# Allegro board controller_layout.brd (continued)
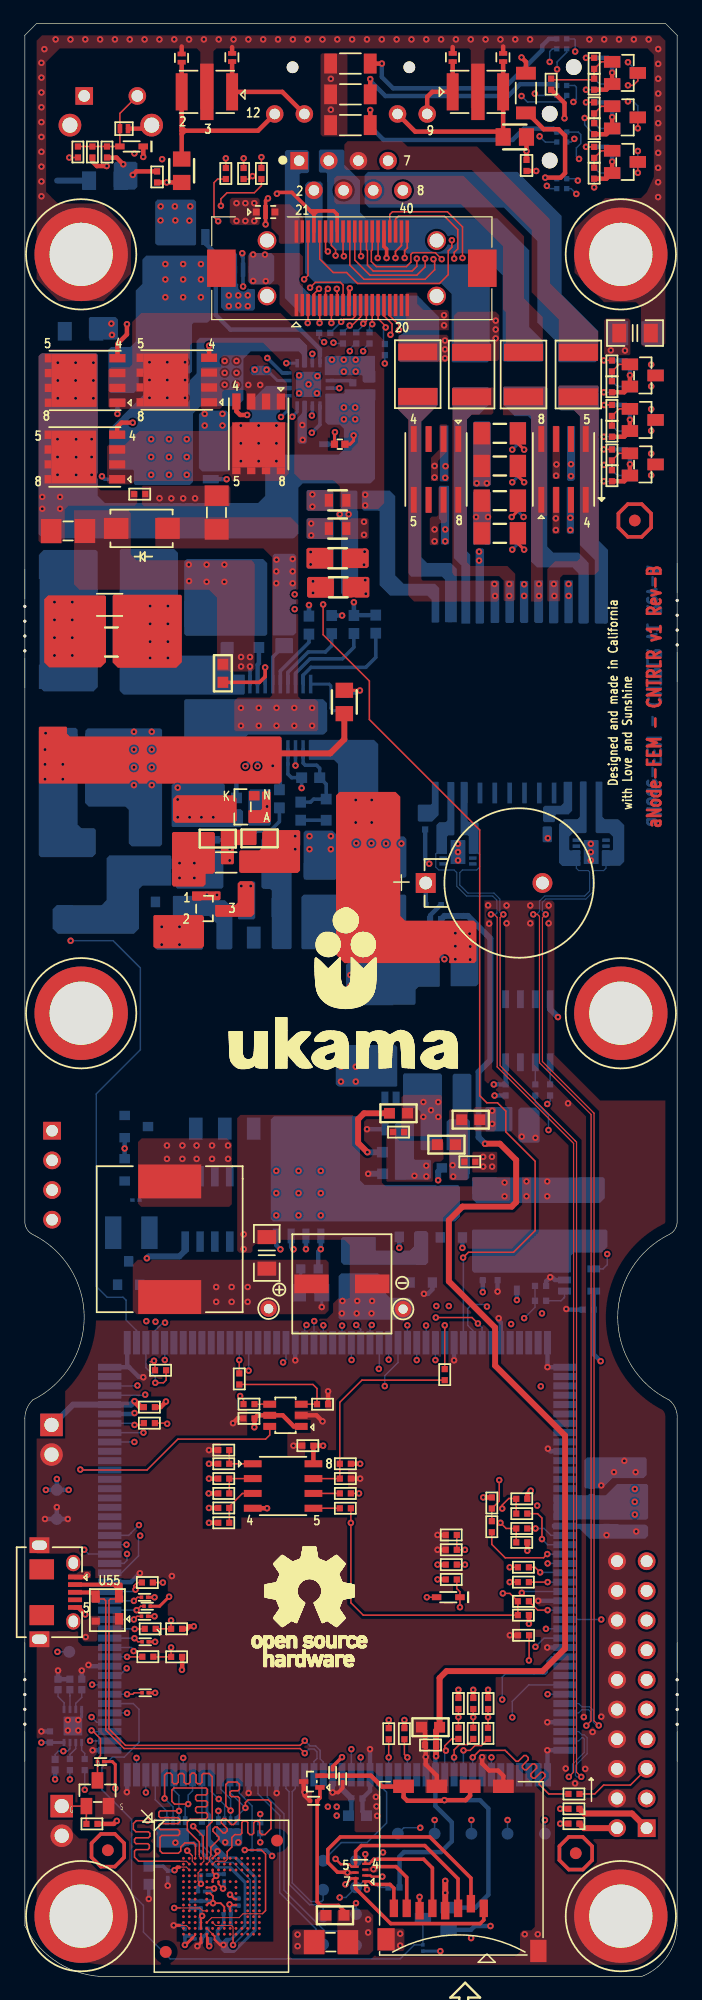
[diagram p0: board, top side]
## Routing (per net, layer and track width the routed paths; a pad name or vN(x,y) marks a point on that pad's centre or on a via; arc(x,y) is an arc through that point) (continued)
  TOP w0.127: R65.2 v1(37.7,35.28)
  L3-SIG1 w0.119: J5.17 51.95,31.72 49.17,31.72 46.25,28.8 42.82,28.8 42.62,28.6 39.27,28.6 38.05,29.82 38.05,33.34 37.7,33.69 v1(37.7,35.28)
N20073333: length 6.4
  TOP w0.508: R93.1 47.92,13.97 52.01,13.97 J5.1
N20073375: length 3.4
  TOP w0.508: J5.2 47.9,12.71 R94.1
N20073427: length 17.9
  TOP w0.127: R77.1 43.19,27.09 v1(43.18,27.08)
  L3-SIG1 w0.119: v1(43.18,27.08) 47.83,27.08 49.68,28.93 54.05,28.93 54.4,28.57 54.4,26.55 J5.11
N20073459: length 26.2
  TOP w0.127: v1(37.7,36.55) R64.1 C17.1
  L3-SIG1 w0.119: J5.19 51.8,34.11 50.09,34.11 45.19,29.21 42.93,29.21 42.32,29.82 39.27,29.82 38.55,30.53 38.55,35.7 v1(37.7,36.55)
N20187115: length 21.7
  TOP w0.127: J1.26 25.76,147.92 v1(25.96,147.73) ; R15.2 v1(17.22,155.7)
  L4-SIG2 w0.119: v1(17.22,155.7) 16.55,155.7 15.98,155.13 15.98,150.13 16.36,149.75 16.87,149.75 17.19,150.07 17.19,150.73 17.75,151.29 21.68,151.29 23.27,149.71 23.98,149.71 v1(25.96,147.73)
N20187119: length 26.9
  TOP w0.127: J1.27 26.26,148.24 26.62,147.88 v1(26.62,147.37) ; R16.2 18.74,155.7 v1(18.75,155.7)
  L4-SIG2 w0.119: v1(26.62,147.37) 26.38,147.13 24.85,147.13 24.4,147.58 23.23,147.58 22.65,148.16 22.65,149.36 21.11,150.9 17.91,150.9 17.57,150.56 17.57,149.9 17.04,149.37 16.21,149.37 15.62,149.96 15.62,155.53 16.3,156.21 18.24,156.21 v1(18.75,155.7)
N42831088: length 3.3
  TOP w0.127: R66.2 43.7,35.05 v1(44.14,34.62)
  BOTTOM w0.127: v1(44.14,34.62) 46.24,34.62 U17.23
N42831090: length 3.1
  TOP w0.127: v1(44.78,33.78) R68.2
  BOTTOM w0.127: v1(44.78,33.78) U17.24
N43233287: length 11.2
  BOTTOM w0.127: U17.61 30.37,16.42 30.99,15.8 30.99,13.16 29.31,11.48 27.1,11.48 TP12.1
N167577870: length 4
  BOTTOM w0.127: U17.80 R140.1

## Copper pours and planes (outline as drawn; the poured copper is in the pictures)
GND on BOTTOM (solid shape): 9.65,155.25 9.65,153.26 9.4,153.01 7.82,153.01 7.62,153.21 7.62,155.24 7.79,155.41 9.49,155.41
GND on BOTTOM (solid shape): 31.9,79.6 31.9,76.29 31.84,76.22 26.85,76.22 26.63,76.44 26.63,79.55 26.85,79.77 31.73,79.77
GND on BOTTOM (solid shape): 44.09,74.07 44.09,71.53 43.99,71.42 42.49,71.42 42.26,71.65 42.26,74.22 42.46,74.42 43.75,74.42
GND on BOTTOM (solid shape): 45.16,98.4 45.16,97.21 45.08,97.13 44.44,97.13 44.34,97.24 44.34,98.4 44.42,98.48 45.08,98.48
GND on BOTTOM (solid shape): 49.69,68.3 49.69,66.67 49.27,66.25 38.67,66.25 38.32,66.61 38.32,68.11 38.51,68.31 38.51,68.43 49.56,68.43
GND on BOTTOM (solid shape): 53.26,44.34 53.26,42.95 53.01,42.69 50.34,42.69 49.45,41.8 48.05,41.8 47.93,41.93 47.93,44.22 48.18,44.47 53.13,44.47
GND on BOTTOM (solid shape): 30.75,59.73 30.75,58.66 31.27,58.14 32.95,58.14 33.17,57.92 33.17,56.56 32.86,56.26 27.04,56.26 26.87,56.42 26.87,59.99 27.11,60.23 30.26,60.23
GND on BOTTOM (solid shape): 48.31,38.76 50.85,38.76 50.9,38.7 53.19,38.7 53.39,38.5 53.39,37.74 53.14,37.49 48.37,37.49 47.52,38.35 45.27,38.35 45.13,38.49 45.13,38.69 45.22,38.78 48.29,38.78
GND on BOTTOM (solid shape): 15.65,15.96 15.65,15.66 15.73,15.58 15.73,14.13 15.94,13.93 15.94,11.77 17.4,10.31 18.15,10.31 19.86,8.59 19.86,3.93 17.97,2.03 17.06,2.03 16.79,2.3 16.79,2.91 17.2,3.32 17.61,3.32 18.75,4.46 18.75,8 17.5,9.24 16.4,9.24 14.9,10.73 14.9,10.81 14.96,10.87 15.13,10.87 16.54,9.46 17.7,9.46 18.98,8.17 18.98,4.31 17.82,3.15 17.8,3.14 17.53,2.41 18.27,2.68 18.27,2.7 19.62,4.05 19.62,8.43 17.96,10.09 16.8,10.09 15.69,11.2 15.69,13.79 15.49,14 15.49,16.01 15.49,16.02 15.59,16.02
GND on TOP: 30.35,4.11 30.35,2.19 32.38,2.19 32.51,2.32 32.51,3.99 32.38,4.11
GND on TOP: 7.05,1.02 3.53,1.96 1.02,4.6 1.02,29.57 2.79,29.57 2.79,29.59 3.94,29.59 3.94,31.09 4.93,31.09 4.93,31.65 4.95,31.65 4.95,31.12 6.6,31.12 6.6,32.39 4.95,32.39 4.95,31.85 4.93,31.85 4.93,31.9 3.61,31.9 3.61,31.37 2.41,31.37 2.41,30.48 1.02,30.48 1.02,35.15 2.69,35.15 2.69,34.6 3.66,34.6 3.66,35.36 3.71,35.36 3.71,36.22 1.02,36.22 1.02,47.77 1.05,48.07 1.17,48.36 3.45,48.36 3.45,50.12 5.36,52.9 6.1,56.19 10.57,56.19 10.57,55.37 11.33,55.37 11.33,56.19 24.94,56.19 26.82,58.06 27.74,58.06 27.84,58.17 27.84,62.64 27.38,63.09 21.79,63.09 21.44,62.74 19.76,62.74 19.51,62.48 19.51,62.13 19.35,61.98 18.39,61.98 18.19,62.18 18.19,73.51 18.47,73.79 29.08,73.79 29.08,75.03 41.1,75.03 39.37,76.76 39.37,92.15 45.16,92.15 45.36,91.95 45.36,78.94 49.28,75.03 54.86,75.03 54.86,64.64 54.83,64.54 54.75,64.47 49.77,56.54 54.63,48.53 54.82,48.21 54.87,47.84 54.86,47.8 54.86,4.38 54.23,2.37 52.61,1.02 7.06,1.02 ; 44 cut-outs
GND on TOP: 36.32,142.57 36.17,142.72 34.13,142.72 33.63,143.23 33.63,144.11 33.54,144.2 32.64,144.2 32.61,144.17 32.61,141.12 32.77,140.97 36.27,140.97 36.32,141.02
GND on TOP, BOTTOM: 49.63,141.83 49.63,138.94 49.73,138.84 51.77,138.84 51.87,138.94 51.87,141.83 51.71,141.99 49.78,141.99
GND on BOTTOM: 14.53,63.75 14.83,64.06 20.57,64.06 20.73,63.91 20.73,61.82 20.87,61.67 22.25,61.67 22.4,61.82 22.4,63.96 22.5,64.06 25.76,64.06 25.86,63.96 25.86,61.6 25.57,61.31 22.75,61.31 22.15,60.71 22.15,56.9 21.84,56.59 9.5,56.59 9.19,56.9 9.19,59.84 9.45,60.1 14.27,60.1 14.53,60.35
GND on BOTTOM: 28.6,15.58 28.6,13.41 28.85,13.16 30.33,13.16 30.58,13.41 30.58,15.44 30.23,15.8 28.82,15.8
GND on L2-GND: outline of 101 points within 1.02,2.07 54.87,163.73
GND on L3-SIG1: 7.05,1.02 3.53,1.96 1.02,4.6 1.02,47.77 1.09,48.18 1.29,48.55 6.1,56.56 1.12,64.46 1.05,64.53 1.02,64.64 1.02,71.22 5.23,71.22 7.41,73.39 54.86,73.39 54.86,64.64 54.83,64.54 54.75,64.47 49.77,56.54 54.63,48.53 54.82,48.21 54.87,47.84 54.86,47.8 54.86,4.38 54.23,2.37 52.61,1.02 7.06,1.02 ; 33 cut-outs
GND on L4-SIG2: 7.05,1.02 3.53,1.96 1.02,4.6 1.02,47.77 1.09,48.18 1.29,48.55 6.1,56.56 1.12,64.46 1.05,64.53 1.02,64.64 1.02,71.22 5.23,71.22 7.41,73.39 54.86,73.39 54.86,64.64 54.83,64.54 54.75,64.47 49.77,56.54 54.63,48.53 54.82,48.21 54.87,47.84 54.86,47.8 54.86,4.38 54.23,2.37 52.61,1.02 7.06,1.02 ; 21 cut-outs
GND_SIGNAL on TOP (solid shape): 6.95,118.16 6.95,112.56 6.5,112.12 2.08,112.12 1.67,112.53 1.67,117.95 1.99,118.27 6.84,118.27
GND_SIGNAL on TOP (solid shape): 15.35,90.74 15.35,88.25 15.16,88.06 11.17,88.06 11.01,88.22 11.01,90.8 11.11,90.9 15.19,90.9
GND_SIGNAL on TOP (solid shape): 18.14,100.88 18.14,99.77 18.16,99.75 18.16,98.99 17.97,98.81 12.91,98.81 12.69,99.03 12.69,100.84 13.01,101.16 17.86,101.16
GND_SIGNAL on TOP (solid shape): 23.59,98.06 23.59,96.9 23.58,96.89 23.58,94.72 23.36,94.51 18.53,94.51 18.38,94.66 18.38,96.35 18.48,96.45 20.09,96.45 20.33,96.69 20.33,97.97 20.54,98.18 23.47,98.18
GND_SIGNAL on BOTTOM (solid shape): 15.26,90.2 15.26,88.04 15.15,87.93 11.33,87.93 11.15,88.11 11.15,90.1 11.3,90.26 15.2,90.26
GND_SIGNAL on BOTTOM (solid shape): 26.72,97.77 26.72,94.13 26.52,93.93 24.08,93.93 23.88,94.13 23.88,97.97 24.03,98.13 26.36,98.13
GND_SIGNAL on BOTTOM (solid shape): 6.25,122 6.25,110.42 5.89,110.05 1.63,110.05 1.27,110.41 1.27,120.65 1.27,120.65 1.27,121.82 1.61,122.17 6.08,122.17
GND_SIGNAL on BOTTOM (solid shape): 35.54,86.86 35.54,84.82 35.47,84.75 33.72,84.75 33.48,84.52 33.48,83.34 33.36,83.22 27.82,83.22 27.51,83.53 27.51,86.64 27.87,87 35.4,87
GND_SIGNAL on BOTTOM (solid shape): 11.76,106.76 11.76,96.96 11.58,96.78 9.17,96.78 8.9,97.04 8.9,99.9 8.61,100.2 5.47,100.2 5.16,100.51 5.16,105.27 5.18,105.29 5.18,106.68 5.38,106.88 11.63,106.88
GND_SIGNAL on BOTTOM (solid shape): 17.13,102.06 17.13,100.11 17.27,99.97 18.49,99.97 18.69,99.77 18.69,98.65 18.49,98.45 12.65,98.45 12.57,98.53 12.57,102.01 12.79,102.23 12.79,102.23 12.89,102.33 16.86,102.33
GND_SIGNAL on L2-GND (solid shape): outline of 3676 points within 1.08,83.87 33.15,123.62
VDD_3V3 on BOTTOM (solid shape): 18.62,12.52 18.62,11.34 18.44,11.17 17.08,11.17 16.51,11.74 16.51,12.65 16.56,12.7 18.44,12.7
VDD_3V3 on BOTTOM (solid shape): 53.39,42.06 53.39,39.26 53.26,39.14 51.01,39.14 48.47,39.14 48.44,39.16 45.33,39.16 45.29,39.2 45.29,41.07 45.45,41.23 49.76,41.23 50.72,42.19 53.26,42.19
VDD_3V3 on BOTTOM (solid shape): 13.97,12.72 14.07,12.62 14.07,11.25 14.02,11.2 14,11.21 13.76,11.19 13.57,11.05 11.38,11.05 11.27,11.15 11.27,12.62 11.38,12.72
VDD_3V3 on TOP: 25.65,4.03 23.06,4.03 22.91,3.88 22.91,2.05 23.06,1.9 25.65,1.9 25.75,2 25.75,3.93
VDD_3V3 on TOP: 17.55,152.15 17.55,150.22 17.78,149.99 19.99,149.99 20.11,150.11 20.11,152.17 19.96,152.32 17.72,152.32
VDD_3V3 on BOTTOM: 27.53,15.65 27.53,15.14 27.38,14.99 25.86,14.99 25.65,14.78 25.65,13.21 25.76,13.11 28.24,13.11 28.35,13.21 28.35,15.55 28.19,15.7 27.58,15.7
VDD_3V3 on L5-PWR: 54.61,64.76 54.45,64.6 49.52,56.45 54.47,48.32 54.59,48.11 54.62,47.87 54.61,47.81 54.61,4.38 54.03,2.53 52.56,1.27 7.06,1.27 7.05,1.27 3.69,2.16 1.27,4.67 1.27,44.45 3.45,44.45 3.45,49.77 6.27,57.71 1.42,64.6 1.12,64.9 1.12,121.1 1.58,121.55 26.31,121.55 28.41,123.64 28.41,126.39 27.57,127.23 27.57,138.52 27.18,138.91 25.45,138.91 21.69,142.67 10.85,142.67 10.47,143.05 10.47,153.73 9.81,154.38 4.32,154.38 4.01,154.69 4.01,157.69 4.43,158.12 21.92,158.12 22.25,157.79 22.25,153.57 22.56,153.26 22.56,151.94 23.11,151.38 39.83,151.38 40.34,151.89 40.34,156.49 40.35,156.5 40.35,161.25 40.77,161.67 46.61,161.67 47.07,161.21 47.07,156.39 47.04,156.36 47.04,152.25 46.79,151.99 45.73,151.99 45.42,151.69 45.42,144.63 48.62,141.43 53.1,141.43 54.61,139.93
(no net) on TOP: 16.3,91.72 16.3,90.85 16.41,90.75 19.4,90.75 19.66,91 19.66,93.61 19.46,93.8 18.43,93.8 18.23,93.6 18.23,91.97 18.03,91.77 16.35,91.77
(no net) on TOP: 29.46,122.13 29.46,120.77 29.3,120.61 27.27,120.61 27.17,120.71 27.17,122.14 27.32,122.29 29.3,122.29
(no net) on TOP: 16.16,98.02 12.71,98.02 12.61,97.91 12.61,93.48 12.74,93.34 15.28,93.34 15.48,93.54 15.48,94.38 15.54,94.44 16.11,94.44 16.28,94.61 16.28,97.9
(no net) on TOP: 7.52,118.23 7.52,112.53 7.97,112.08 12.96,112.08 13.45,112.57 13.45,118.23 13.36,118.32 7.62,118.32
(no net) on TOP: 11.01,90.8 11.01,88.22 11.17,88.06 15.16,88.06 15.35,88.25 15.35,90.74 15.19,90.9 11.11,90.9
(no net) on TOP: 29.51,119.73 29.51,118.21 29.38,118.08 27.35,118.08 27.23,118.21 27.23,119.73 27.35,119.86 29.38,119.86
(no net) on TOP: 1.58,102.16 1.27,102.16 1.2,102.23 1.2,106.96 1.27,107.04 3.54,107.04 3.61,106.97 3.61,106.43 3.84,106.19 21.88,106.19 21.99,106.07 21.99,102.34 21.81,102.16
(no net) on TOP: 19.22,98.78 20.9,98.78 21.06,98.95 21.06,101.42 20.99,101.49 20.39,101.49 20.31,101.41 20.31,100 20.19,99.88 19.17,99.88 19.16,99.87 19.16,98.85
(no net) on TOP: 14.32,92.88 14.32,92.22 14.37,92.17 16.66,92.17 16.76,92.27 16.76,92.88 16.71,92.93 14.37,92.93
(no net) on TOP: 20.33,97.97 20.33,96.69 20.09,96.45 18.47,96.45 18.47,96.45 18.38,96.35 18.38,94.66 18.53,94.51 23.36,94.51 23.57,94.71 23.58,94.71 23.58,96.89 23.59,96.9 23.59,98.06 23.47,98.18 20.54,98.18
(no net) on TOP: 18.14,99.77 18.14,100.88 17.86,101.16 13.01,101.16 12.69,100.84 12.69,99.03 12.91,98.81 17.97,98.81 18.16,98.99 18.16,99.75
(no net) on TOP: 16.79,97.02 16.8,97.01 16.8,95.32 16.87,95.25 17.82,95.25 17.91,95.34 17.91,96.8 18,96.89 19.77,96.89 19.84,96.97 19.84,98.12 19.75,98.22 16.82,98.22 16.79,98.18
(no net) on TOP: 26.66,101.14 26.66,87.51 27.39,86.78 38.48,86.78 38.68,86.98 38.68,90.2 38.46,90.41 32.57,90.41 32.16,90.83 32.16,101.04 31.75,101.45 26.96,101.45
(no net) on TOP: 6.95,118.16 6.95,112.56 6.5,112.12 2.08,112.12 1.67,112.53 1.67,117.95 1.99,118.27 6.84,118.27
(no net) on TOP, BOTTOM: 24.31,119.86 26.34,119.86 26.46,119.73 26.46,118.21 26.34,118.08 24.3,118.08 24.18,118.21 24.18,119.72
(no net) on TOP, BOTTOM: 24.26,122.35 26.29,122.35 26.41,122.22 26.41,120.7 26.29,120.57 24.25,120.57 24.13,120.7 24.13,122.21
(no net) on BOTTOM: 37.87,122.04 37.87,133.35 38.27,133.75 38.91,133.75 39.93,134.77 39.93,135.84 39.67,136.1 36.68,136.1 36.62,136.04 36.62,133.37 36.75,133.24 36.75,121.48 37.39,120.85 37.39,115.88 37.42,115.85 38.12,115.85 38.15,115.88 38.15,121.77
(no net) on BOTTOM: 26.63,79.55 26.63,76.44 26.85,76.22 31.84,76.22 31.9,76.29 31.9,79.6 31.73,79.77 26.85,79.77
(no net) on BOTTOM: 38.53,133.17 39.8,133.17 39.93,133.04 39.93,127.76 39.74,127.57 38.51,127.57 38.4,127.68 38.4,133.04
(no net) on BOTTOM: 35.55,128.07 35.61,128.02 36.21,128.02 36.29,128.1 36.29,132.8 36.27,132.82 35.61,132.82 35.55,132.77
(no net) on BOTTOM: 40.63,119.47 40.63,115.98 40.57,115.91 39.96,115.91 39.9,115.97 39.9,119.46 39.99,119.54 40.56,119.54
(no net) on BOTTOM: 13.65,121.17 13.65,114.97 13.81,114.81 20.62,114.81 20.76,114.96 20.76,121.03 20.41,121.39 13.88,121.39
(no net) on BOTTOM: 39.34,115.94 39.25,115.85 38.69,115.85 38.6,115.94 38.6,122.15 38.75,122.3 39.22,122.3 39.34,122.19
(no net) on BOTTOM: 27.09,127.17 27.09,125.77 26.7,125.37 26.7,124.98 27.09,124.59 27.09,118.47 27.23,118.33 28.52,118.33 28.55,118.36 28.55,127.1 28.4,127.25 27.17,127.25
(no net) on BOTTOM: 1.27,120.65 1.27,110.41 1.63,110.05 5.89,110.05 6.25,110.42 6.25,122 6.08,122.17 1.61,122.17 1.27,121.82 1.27,120.65
(no net) on BOTTOM: 24.26,124.89 26.29,124.89 26.41,124.76 26.41,123.24 26.29,123.11 24.25,123.11 24.13,123.24 24.13,124.75
(no net) on BOTTOM: 39.54,74.47 41.7,74.47 41.77,74.4 41.77,72.5 41.64,72.37 39.55,72.37 39.44,72.48 39.44,74.36
(no net) on BOTTOM: 44.42,98.48 44.34,98.4 44.34,97.24 44.44,97.13 45.08,97.13 45.16,97.21 45.16,98.4 45.08,98.48
(no net) on BOTTOM: 25.19,154.59 25.3,154.48 25.79,154.48 25.89,154.38 25.89,148.58 26.66,147.82 32.47,147.82 32.74,147.55 39.06,147.55 40.93,145.68 40.93,138.41 41.05,138.28 44.33,138.28 44.41,138.37 44.41,140.05 43.77,140.68 43.77,140.69 43.76,140.69 43.21,141.24 43.21,147.82 40.47,150.56 29.23,150.56 28.71,151.08 28.71,153.81 28.05,154.47 28.05,154.48 27.38,155.16 27.38,156.33 27.26,156.45 25.31,156.45 25.19,156.33
(no net) on BOTTOM: 42.26,71.65 42.26,74.22 42.46,74.42 43.81,74.42 44.09,74.14 44.09,71.53 43.99,71.42 42.49,71.42
(no net) on BOTTOM: 45.22,38.78 48.29,38.78 48.31,38.76 50.85,38.76 50.9,38.7 53.19,38.7 53.39,38.5 53.39,37.74 53.14,37.49 48.37,37.49 47.52,38.35 45.27,38.35 45.13,38.49 45.13,38.69
(no net) on BOTTOM: 12.57,102.01 12.79,102.23 12.79,102.23 12.89,102.33 16.86,102.33 17.13,102.06 17.13,100.11 17.27,99.97 18.49,99.97 18.69,99.77 18.69,98.65 18.49,98.45 12.65,98.45 12.57,98.53
(no net) on BOTTOM: 29.11,151.84 29.47,151.49 41.04,151.49 43.9,148.63 43.9,141.64 45.68,139.85 45.68,138.32 45.76,138.24 48.87,138.24 49.12,138.49 49.12,140.91 45.98,144.04 45.98,150.76 42.2,154.54 29.39,154.54 29.11,154.26
(no net) on BOTTOM: 45.88,134.12 45.66,134.34 45.66,136.12 45.79,136.25 49.07,136.25 49.17,136.15 49.17,122.96 49.96,122.17 49.96,115.97 49.83,115.85 48.94,115.85 48.82,115.97 48.82,121.31 47.55,122.58 47.55,133.63 47.05,134.12
(no net) on BOTTOM: 27.51,86.64 27.51,83.53 27.82,83.22 33.36,83.22 33.48,83.34 33.48,84.52 33.72,84.75 35.47,84.75 35.54,84.82 35.54,86.86 35.4,87 27.87,87
(no net) on BOTTOM: 38.03,97.63 38.03,96.19 38.06,96.16 38.82,96.16 38.87,96.21 38.87,98.75 38.74,98.88 38.06,98.88 37.93,99.01 37.93,102.27 37.9,102.31 37.37,102.31 37.32,102.26 37.32,97.84 37.42,97.74 37.93,97.74
(no net) on BOTTOM: 14.91,133.79 14.91,129.18 15.19,128.9 17.47,128.9 17.57,129 17.57,133.77 17.24,134.1 15.23,134.1
(no net) on BOTTOM: 24.16,134.93 24.13,134.95 23.81,134.95 23.76,134.9 23.76,133.93 23.37,133.55 23.37,131.41 23.51,131.27 24.02,131.27 24.16,131.4
(no net) on BOTTOM: 46.24,119.57 46.9,119.57 46.94,119.52 46.94,115.98 46.85,115.89 46.28,115.89 46.21,115.97 46.21,119.54
(no net) on BOTTOM: 36.65,77.17 36.65,74.2 36.81,74.04 38.11,74.04 38.25,74.18 38.25,77.18 38.12,77.31 36.79,77.31
(no net) on BOTTOM: 26.87,59.99 26.87,56.42 27.04,56.26 32.86,56.26 33.17,56.56 33.17,57.92 32.95,58.14 31.27,58.14 30.75,58.66 30.75,59.73 30.26,60.23 27.11,60.23
(no net) on BOTTOM: 24.23,127.3 26.04,127.3 26.27,127.07 26.27,125.73 26.06,125.52 24.25,125.52 24.13,125.65 24.13,127.2
(no net) on BOTTOM: 37.27,65.08 37.27,67.62 37.1,67.8 29.11,67.8 28.7,68.2 28.7,73.41 28.43,73.68 21.35,73.68 21.06,73.39 21.06,64.87 21.26,64.67 36.87,64.67
(no net) on BOTTOM: 14.59,148.25 11.35,148.25 11.16,148.44 11.16,151.97 11.36,152.17 11.36,152.17 14.49,152.17 14.67,151.99 14.67,148.34 14.59,148.26
(no net) on BOTTOM: 7.3,129.04 7.23,129.11 7.22,129.11 7.22,132.51 11.08,136.37 13.8,136.37 14.71,137.28 14.71,140.06 14.98,140.33 23.52,140.33 24.18,139.67 24.18,137.84 24.13,137.79 23.77,137.79 23.72,137.84 23.72,138.91 23.47,139.16 19.35,139.16 18.72,138.53 18.72,135 18.2,134.48 15.06,134.48 14.4,133.83 14.4,127.99 14.14,127.73 9.45,127.73 9.34,127.83 9.34,128.95 9.26,129.04
(no net) on BOTTOM: 35.45,102.26 35.45,99.48 34.89,98.91 33.75,98.91 33.66,99 33.66,100.27 33.74,100.36 34.77,100.36 34.87,100.46 34.87,102.24 34.94,102.32 35.4,102.32
(no net) on BOTTOM: 24.01,153.45 24.01,145.87 24.91,144.97 35.68,144.97 36.56,144.09 36.56,138.31 36.65,138.23 39.64,138.23 39.83,138.42 39.83,145.04 38.24,146.63 25.9,146.63 25.52,147.02 25.52,153.53 25.33,153.71 24.27,153.71
(no net) on BOTTOM: 46.45,132.77 46.45,128.17 46.55,128.07 46.96,128.07 47.14,128.25 47.14,132.77
(no net) on BOTTOM: 12.93,95.84 13.03,95.94 14.15,95.94 14.36,96.16 14.36,96.45 14.38,96.47 16.9,96.47 17,96.37 17,93.3 16.87,93.17 13.06,93.17 12.93,93.3
(no net) on BOTTOM: 9.65,153.26 9.65,155.25 9.49,155.41 7.79,155.41 7.62,155.24 7.62,153.21 7.82,153.01 9.4,153.01
(no net) on BOTTOM: 19.18,145.08 19.36,144.89 21.02,144.89 21.36,145.24 21.36,147.33 21.1,147.6 19.26,147.6 19.18,147.52
(no net) on BOTTOM: 16.56,12.7 18.44,12.7 18.62,12.52 18.62,11.34 18.44,11.17 17.08,11.17 16.51,11.74 16.51,12.65
(no net) on BOTTOM: 47.93,44.22 47.93,41.93 48.05,41.8 49.45,41.8 50.34,42.69 53.01,42.69 53.26,42.95 53.26,44.34 53.13,44.47 48.18,44.47
(no net) on BOTTOM: 44.91,119.52 44.91,115.92 44.95,115.88 45.6,115.88 45.7,115.98 45.7,119.53 45.66,119.58 44.97,119.58
(no net) on BOTTOM: 21.24,114.85 21.24,121.69 21.4,121.84 23.04,121.84 23.25,121.64 23.25,115.08 23.02,114.85
(no net) on BOTTOM: 11.38,12.72 13.97,12.72 14.07,12.62 14.07,11.25 13.87,11.05 11.38,11.05 11.27,11.15 11.27,12.62
(no net) on BOTTOM: 32.52,77.35 35.58,77.35 35.73,77.21 35.73,70.83 35.66,70.76 33.99,70.76 33.89,70.86 33.89,74.07 33.59,74.37 32.48,74.37 32.39,74.45 32.39,77.23
(no net) on BOTTOM: 27.21,94.32 27.41,94.12 32.57,94.12 32.68,94.23 32.68,97.33 32.68,97.33 32.68,97.43 32.47,97.64 27.35,97.64 27.21,97.49
(no net) on BOTTOM: 8.45,109.78 18.75,109.78 18.85,109.88 18.85,111.46 18.82,111.49 17.92,111.49 17.88,111.53 17.88,114.25 17.83,114.3 16.86,114.3 16.76,114.2 16.76,113.32 16.56,113.12 13.4,113.12 13.12,113.4 13.12,121.93 12.79,122.26 8.25,122.26 8.12,122.13 8.12,110.11
(no net) on BOTTOM: 46.88,99.83 46.58,99.52 45.54,99.52 45.41,99.39 45.41,98.94 45.33,98.86 44.5,98.86 44.39,98.96 44.39,100.12 44.53,100.26 45.92,100.26 46.15,100.49 46.15,102.27 46.19,102.32 46.87,102.32 46.88,102.3
(no net) on BOTTOM: 36.68,90.14 36.47,89.94 36.47,84.86 36.53,84.81 38.66,84.81 38.86,85.01 38.86,88.19 38.81,88.24 38.56,88.24 38.46,88.34 38.46,89.81 38.13,90.14
(no net) on BOTTOM: 21.16,88.11 21.16,92.99 21,93.15 20.42,93.15 20.27,93.29 20.27,97.38 20.57,97.68 22.61,97.68 22.86,97.44 22.86,88.09 22.75,87.98 21.28,87.98
(no net) on BOTTOM: 32.02,138.38 32.1,138.3 35.39,138.3 35.5,138.41 35.5,142.09 34.16,143.43 34.16,143.44 33.65,143.95 24.52,143.95 23.54,144.93 23.54,154.33 23.64,154.43 24.21,154.43 24.36,154.58 24.36,156.24 24.18,156.41 22.42,156.41 22.28,156.26 22.28,143.74 23.78,142.24 31.39,142.24 32.02,141.61
(no net) on BOTTOM: 31.7,72.98 31.7,68.3 31.76,68.24 34.65,68.24 34.8,68.39 34.8,69.85 34.7,69.95 33.43,69.95 33.33,70.05 33.33,73.07 33.21,73.19 31.91,73.19
(no net) on BOTTOM: 17.06,2.03 16.79,2.3 16.79,2.91 17.2,3.32 17.61,3.32 18.75,4.46 18.75,8 17.5,9.24 16.4,9.24 14.9,10.73 14.9,10.81 14.96,10.87 15.32,10.87 15.36,10.83 15.44,10.83 15.69,11.08 15.69,13.79 15.44,14.05 15.44,15.97 15.49,16.02 15.59,16.02 15.65,15.96 15.65,15.66 15.73,15.58 15.73,14.13 15.94,13.93 15.94,11.77 17.4,10.31 18.15,10.31 19.86,8.59 19.86,3.93 17.97,2.03
(no net) on BOTTOM: 7.15,139.31 7.39,139.55 9.04,139.55 9.5,140.01 9.5,144.37 10.08,144.95 10.08,147.04 10.41,147.38 15.69,147.38 15.95,147.11 15.95,141.94 15.65,141.63 14.47,141.63 14.32,141.48 14.32,137.45 14.17,137.29 9.95,137.29 9.75,137.09 9.75,136.01 9.34,135.61 7.36,135.61 7.15,135.82
(no net) on BOTTOM: 21.87,131.09 21.87,135.77 21.93,135.83 22.82,135.83 22.85,135.87 22.85,136.19 22.83,136.22 20.67,136.22 19.25,134.79 19.25,131.12 19.45,130.91 21.69,130.91
(no net) on BOTTOM: 23.88,97.97 23.88,94.13 24.08,93.93 26.52,93.93 26.72,94.13 26.72,97.77 26.36,98.13 24.03,98.13
(no net) on BOTTOM: 44.39,119.52 44.39,116.01 44.29,115.91 43.76,115.91 43.63,116.03 43.63,119.53 43.66,119.57 44.35,119.57
(no net) on BOTTOM: 18.18,147.49 18.18,145 18.64,144.55 19.61,144.55 19.71,144.45 19.71,142.82 19.55,142.67 17.07,142.67 16.81,142.92 16.81,147.49 16.96,147.65 18.03,147.65
(no net) on BOTTOM: 34.88,115.95 35.45,115.95 35.5,116.01 35.5,118.91 35.14,119.27 32.44,119.27 31.73,119.98 31.73,126.76 31.24,127.25 28.99,127.25 28.87,127.13 28.87,125.7 29.04,125.53 30.33,125.53 30.39,125.47 30.39,119.16 31.29,118.25 34.48,118.25 34.84,117.89 34.84,115.99
(no net) on BOTTOM: 25.74,137.14 28.42,137.14 28.85,137.14 28.93,137.05 28.93,136.63 29.07,136.49 29.89,136.49 30,136.59 30,138.78 30,138.78 25.83,138.78 25.69,138.64 25.69,137.19
(no net) on BOTTOM: 19.48,137.94 21.03,137.94 21.13,137.84 21.13,137.28 20.98,137.13 19.5,137.13 19.35,137.28 19.35,137.82
(no net) on BOTTOM: 18.79,104.3 18.79,106.03 19.12,106.36 25.61,106.36 25.9,106.66 25.9,109.03 25.55,109.39 13.77,109.39 13.65,109.26 13.65,104.63 14,104.27 18.76,104.27
(no net) on BOTTOM: 6.08,96.16 5.78,95.86 1.37,95.86 1.2,96.03 1.2,106.71 1.42,106.93 4.37,106.93 4.52,106.78 4.52,98.65 4.83,98.35 5.93,98.35 6.08,98.2
(no net) on BOTTOM: 42.46,119.52 43.06,119.52 43.13,119.45 43.13,116.01 43.03,115.91 42.53,115.91 42.41,116.03 42.41,119.46
(no net) on BOTTOM: 46.42,127.51 46.42,123.67 46.54,123.55 46.96,123.55 47.04,123.62 47.04,127.54 47.01,127.56 46.48,127.56
(no net) on BOTTOM: 47.54,102.29 47.54,99.32 47.34,99.11 46.18,99.11 45.76,98.69 45.76,95.39 46.04,95.1 47.56,95.1 47.6,95.14 47.6,96.4 47.55,96.45 46.71,96.45 46.63,96.53 46.63,97.61 46.94,97.92 48.03,97.92 48.13,98.02 48.13,102.29 48.08,102.34 47.59,102.34
(no net) on BOTTOM: 18.26,93.62 18.26,90.61 18.34,90.53 19.61,90.53 19.74,90.66 19.74,93.67 19.62,93.8 18.44,93.8
(no net) on BOTTOM: 38.13,68.47 38.13,73.25 37.97,73.41 36.33,73.41 36.33,73.41 36.13,73.21 36.13,70.76 36.32,70.76 36.38,70.71 36.38,68.41 36.58,68.2 37.87,68.2
(no net) on BOTTOM: 2.83,89.3 9.35,89.3 9.78,89.73 9.78,93.12 10.08,93.42 12.49,93.42 12.54,93.48 12.54,95.94 12.46,96.02 7.26,96.02 7,95.76 7,92.18 6.57,91.75 4.1,91.75 4.08,91.76 2.75,91.76 2.37,91.39 2.37,89.76
(no net) on BOTTOM: 38.32,68.28 38.32,66.61 38.67,66.25 49.27,66.25 49.69,66.67 49.69,68.3 49.56,68.43 38.47,68.43
(no net) on BOTTOM: 1.54,123.16 1.17,123.53 1.17,138.76 1.42,139.01 6.14,139.01 6.24,138.91 6.24,126.81 6.87,126.19 19.98,126.19 20.59,126.8 20.59,130.03 20.88,130.33 26.88,130.33 27.33,130.78 27.33,132.54 26.97,132.9 25.97,132.9 25.97,132.9 25.73,133.14 25.73,135.5 25.79,135.56 27.33,135.56 27.38,135.61 27.38,135.86 27.43,135.91 29.87,135.91 30,135.79 30,128.24 29.62,127.86 23.8,127.86 23.44,127.51 23.44,123.57 23.03,123.16
(no net) on BOTTOM: 21.09,101.6 21.02,101.67 19.55,101.67 19.55,101.66 19.32,101.66 19.15,101.5 19.15,98.65 19.25,98.55 21.03,98.55 21.09,98.61
(no net) on BOTTOM: 38.49,127.17 39.82,127.17 39.93,127.07 39.93,122.68 39.89,122.64 38.44,122.64 38.4,122.68 38.4,127.09
(no net) on BOTTOM: 11.15,90.1 11.15,88.11 11.33,87.93 15.15,87.93 15.26,88.04 15.26,90.2 15.2,90.26 11.3,90.26
(no net) on BOTTOM: 32.56,92.65 32.67,92.54 32.67,88.45 32.2,87.97 24.01,87.97 24.01,87.97 23.8,87.97 23.68,88.08 23.68,92.44 23.9,92.65
(no net) on BOTTOM: 49.47,102.29 49.47,99.31 49.68,99.11 50.83,99.11 51.34,98.6 51.34,95.47 50.99,95.12 49.46,95.12 49.42,95.16 49.42,96.39 49.47,96.44 50.31,96.44 50.38,96.52 50.38,97.61 50.07,97.92 48.99,97.92 48.89,98.02 48.89,102.3 48.92,102.34 49.42,102.34
(no net) on BOTTOM: 29.91,105.9 30.28,105.53 30.28,101.97 30.28,101.97 30.28,98.3 30.18,98.2 26.98,98.2 26.83,98.35 26.83,103.84 26.48,104.19 24.38,104.19 24.33,104.24 24.33,105.87 24.37,105.9
(no net) on BOTTOM: 36.16,97.61 36.16,96.21 36.09,96.14 35.3,96.14 35.25,96.19 35.25,98.6 35.51,98.86 36.06,98.86 36.19,98.99 36.19,102.26 36.22,102.29 36.75,102.29 36.8,102.24 36.8,97.82 36.7,97.72 36.26,97.72
(no net) on BOTTOM: 43.36,121.18 43.86,120.67 46.91,120.67 47.42,120.16 47.42,115.97 47.55,115.85 48.18,115.85 48.31,115.97 48.31,121.05 47.42,121.94 45.26,121.94 44.75,122.45 44.75,136.04 44.62,136.17 44.38,136.17 44.37,136.17 41.37,136.17 41.37,136.17 41.07,136.17 40.96,136.06 40.96,134.63 41.96,133.63 43.1,133.63 43.36,133.37
(no net) on BOTTOM: 27.32,60.95 34.35,60.95 34.56,61.16 34.56,63.66 34.38,63.84 33.48,63.84 33.34,63.69 33.34,62.53 32.98,62.18 30.12,62.18 30.06,62.23 30.06,63.29 30.02,63.33 27.24,63.33 27.09,63.18 27.09,61.18
(no net) on BOTTOM: 41.2,119.55 41.85,119.55 41.89,119.51 41.89,116 41.81,115.91 41.25,115.91 41.17,116 41.17,119.52
